# Altium PCB SK-V101-010301-Left.PcbDoc (continued)
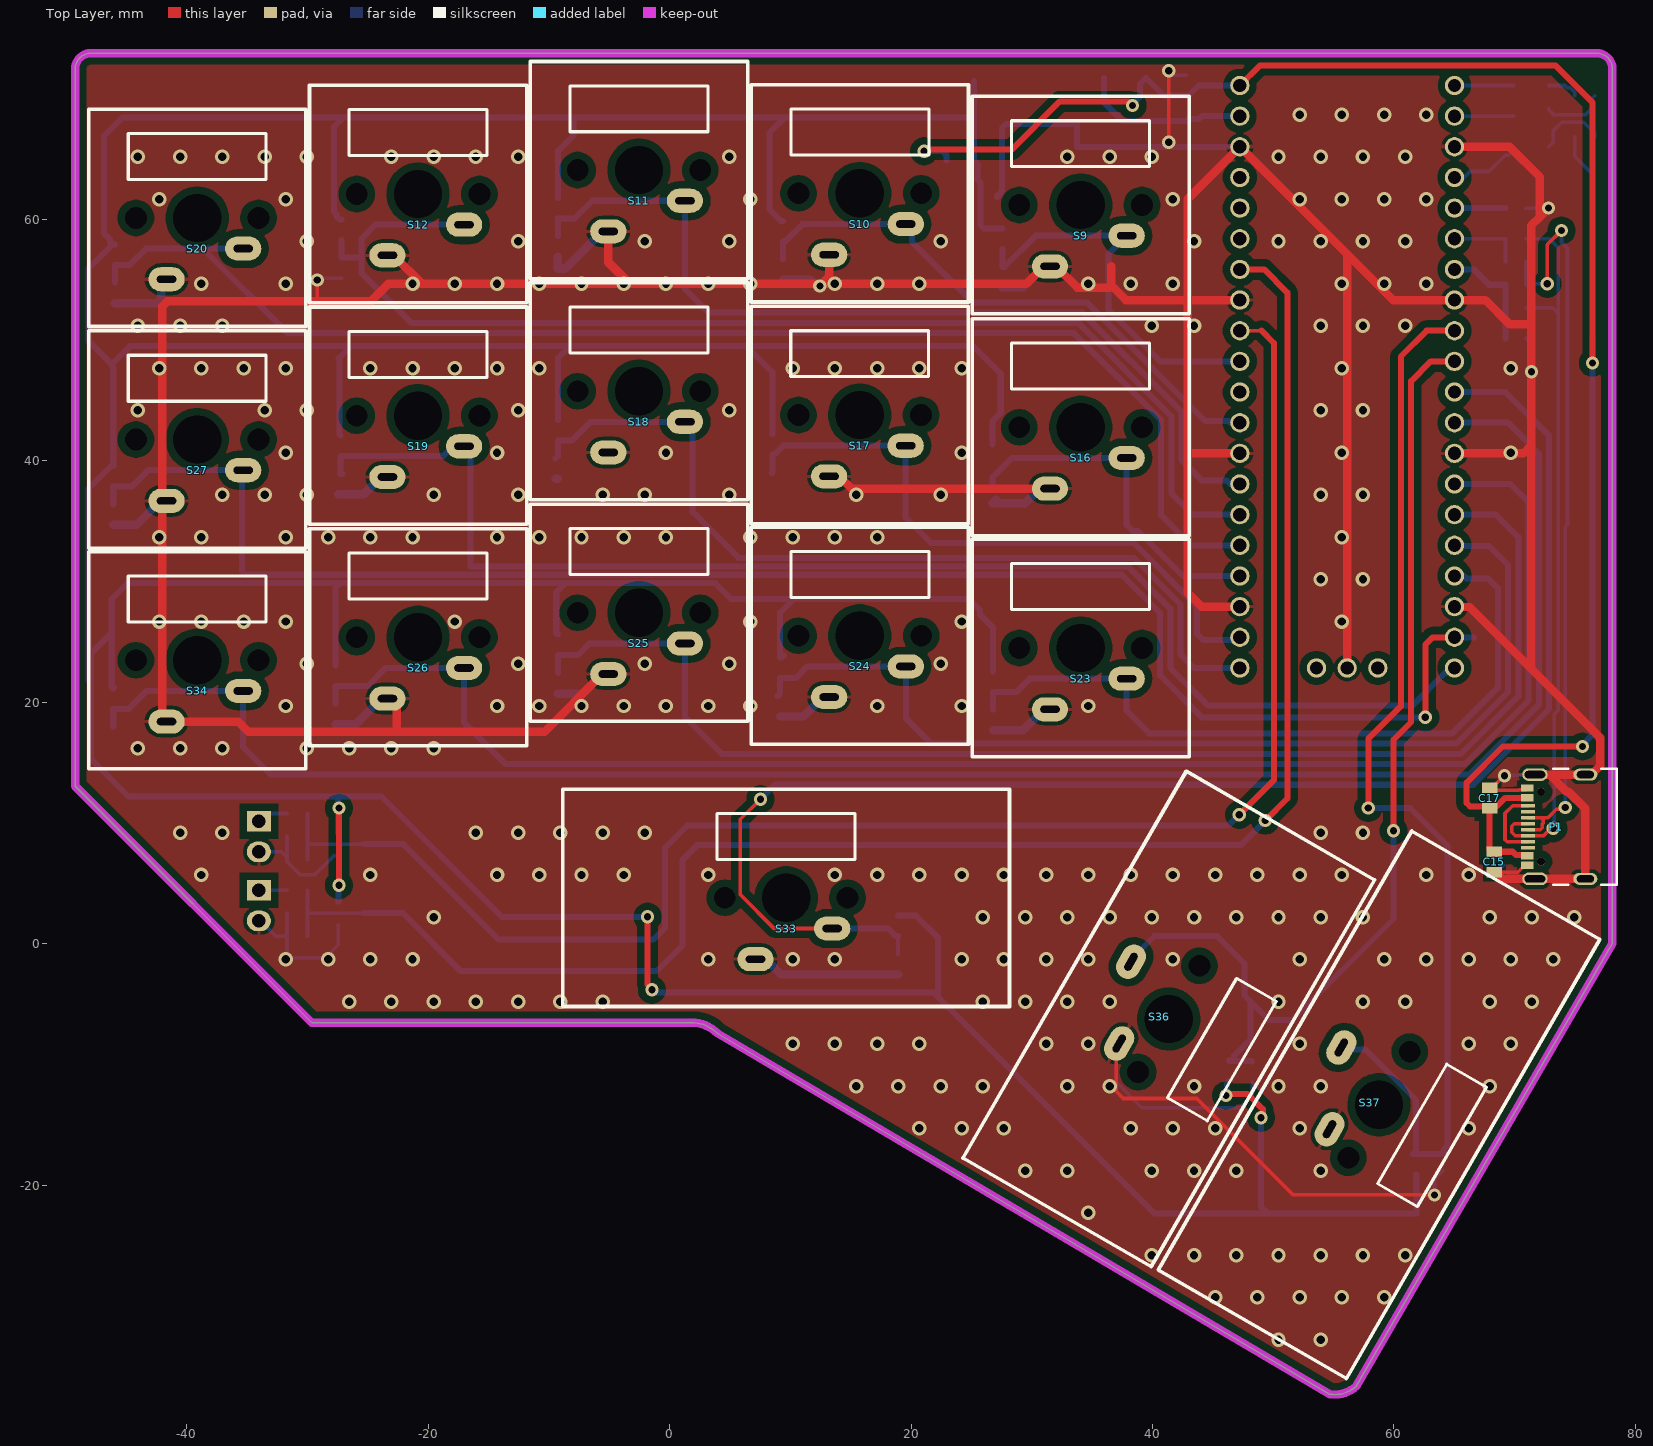
[diagram p0: Top Layer view]
## Footprints (in the part's own frame and the unit in brackets; to place one, negate y for a bottom-side part, rotate by r counter-clockwise, add the part's x,y. Pads: shape width x height; smd on the part's side, far side on the other; paste and mask are expansions set on the pad)
SMH_1206STD [mm]
  rect 1.1x1.7 smd: 1(-1.45,0) 2(1.45,0)
  silkscreen extent -0.25,-0.75 0.25,0.75, body extent -1.6,-0.8 1.6,0.8, height 0.6
SMH_1608[0603]_STD [mm]
  rect 0.8x0.9 smd: 1(-0.7,0) 2(0.7,0)
  body extent -0.8,-0.4 0.8,0.4, height 0.45
SMH_HDR1X2 [mm] "Connector; Header; 2 Position"
  rect 1.7x2 hole 1.1: 1(-1.27,0)
  oval 1.7x2 hole 1.1: 2(1.27,0)
  silkscreen extent -2.67,-1.4 2.67,1.4, body extent -2.54,-1.27 2.54,1.27, height 8.34
SMH_LED_1210-RGB [mm] "3.2*2.8*1.1"
  rect 1.6x1.05 smd paste+0 mask+0: 1(1.7,-0.825) 2(1.7,0.825) 3(-1.7,0.825) 4(-1.7,-0.825)
  silkscreen extent -2.8,-1.7 2.95,1.7, body extent -1.6,-1.35 1.6,1.35, height 1.1
SMH_MINIMELF [mm] "Metal Electrode Face (MELF) Diode; Body 3.5 x 1.5 mm (LxDia)"
  rect 1.25x1.6 smd: 1(-1.725,0) 2(1.725,0)
  silkscreen extent -0.8,-0.7 0.8,0.7, body extent -1.82,-0.8 1.88,0.8, height 1.6
SMH_MX_SERIES-37MM [mm] "Keyboard mechanical switch"
  oval 3x2 hole 0.6 slot 1.6 at 0 deg: 1(-2.54,-5.08) 2(3.81,-2.54)
  round 1 hole 1.8: 3(5.08,0) 4(-5.08,0)
  round 1 hole 4: 5(0,0)
  silkscreen extent -18.5,-9 18.5,9, body extent -7.82,-7.82 7.78,7.78, height 15.75
SMH_MX_Series-37mm [mm] "Keyboard mechanical switch"
  oval 3x2 hole 0.6 slot 1.6 at 0 deg: 1(-2.54,-5.08) 2(3.81,-2.54)
  round 1 hole 1.8: 3(5.08,0) 4(-5.08,0)
  round 1 hole 4: 5(0,0)
  silkscreen extent -18.5,-9 18.5,9, body extent -7.82,-7.82 7.78,7.78, height 15.75
SMH_MX_Series-42mm [mm] "Keyboard mechanical switch"
  oval 3x2 hole 0.6 slot 1.6 at 0 deg: 1(-2.54,-5.08) 2(3.81,-2.54)
  round 1 hole 1.8: 3(5.08,0) 4(-5.08,0)
  round 1 hole 4: 5(0,0)
  silkscreen extent -21,-9 21,9, body extent -7.82,-7.82 7.78,7.78, height 15.75
SMH_MX_Series_18mm [mm] "Keyboard mechanical switch"
  oval 3x2 hole 0.6 slot 1.6 at 0 deg: 1(-2.54,-5.08) 2(3.81,-2.54)
  round 1 hole 1.8: 3(5.08,0) 4(-5.08,0)
  round 1 hole 4: 5(0,0)
  silkscreen extent -9,-9 9,9, body extent -7.82,-7.82 7.78,7.78, height 15.75
SMH_PICOPI [mm] "Raspberry Pi Pico layout"
  rrect50% 3.2x1.6 smd paste-1 mask+0: 1(-9.69,24.13) 2(-9.69,21.59) 3(-9.69,19.05) 4(-9.69,16.51) 5(-9.69,13.97) 6(-9.69,11.43) 7(-9.69,8.89) 8(-9.69,6.35) 9(-9.69,3.81) 10(-9.69,1.27) 11(-9.69,-1.27) 12(-9.69,-3.81) 13(-9.69,-6.35) 14(-9.69,-8.89) 15(-9.69,-11.43) 16(-9.69,-13.97) 17(-9.69,-16.51) 18(-9.69,-19.05) 19(-9.69,-21.59) 20(-9.69,-24.13) 21(9.69,-24.13) 22(9.69,-21.59) 23(9.69,-19.05) 24(9.69,-16.51) 25(9.69,-13.97) 26(9.69,-11.43) 27(9.69,-8.89) 28(9.69,-6.35) 29(9.69,-3.81) 30(9.69,-1.27) 31(9.69,1.27) 32(9.69,3.81) 33(9.69,6.35) 34(9.69,8.89) 35(9.69,11.43) 36(9.69,13.97) 37(9.69,16.51) 38(9.69,19.05) 39(9.69,21.59) 40(9.69,24.13)
  round 1.6 hole 1.1: 1(-8.89,24.13) 2(-8.89,21.59) 3(-8.89,19.05) 4(-8.89,16.51) 5(-8.89,13.97) 6(-8.89,11.43) 7(-8.89,8.89) 8(-8.89,6.35) 9(-8.89,3.81) 10(-8.89,1.27) 11(-8.89,-1.27) 12(-8.89,-3.81) 13(-8.89,-6.35) 14(-8.89,-8.89) 15(-8.89,-11.43) 16(-8.89,-13.97) 17(-8.89,-16.51) 18(-8.89,-19.05) 19(-8.89,-21.59) 20(-8.89,-24.13) 21(8.89,-24.13) 22(8.89,-21.59) 23(8.89,-19.05) 24(8.89,-16.51) 25(8.89,-13.97) 26(8.89,-11.43) 27(8.89,-8.89) 28(8.89,-6.35) 29(8.89,-3.81) 30(8.89,-1.27) 31(8.89,1.27) 32(8.89,3.81) 33(8.89,6.35) 34(8.89,8.89) 35(8.89,11.43) 36(8.89,13.97) 37(8.89,16.51) 38(8.89,19.05) 39(8.89,21.59) 40(8.89,24.13) D1(-2.54,-24.13) D2(0,-24.13) D3(2.54,-24.13)
  rrect50% 1.6x3.2 smd paste-1 mask+0: D1(-2.54,-24.7) D2(0,-24.7) D3(2.54,-24.7)
  silkscreen extent -10.5,-25.5 10.5,26.8, body extent -10.5,-25.5 10.5,26.8, height 3.73
SMH_RES0805-STD [mm]
  rect 0.9x1.27 smd: 1(-0.85,0) 2(0.85,0)
  body extent -1,-0.63 1,0.63, height 0.6
SMH_SMA [mm] "Diode SMA Package"
  rect 1.5x1.5 smd: 1(-1.75,0) 2(1.75,0)
  silkscreen extent -2.9,-1.15 3.2,1.15, body extent -2.74,-1.4 2.74,1.4, height 2.41
SMH_SOT223 [mm]
  rect 1.1x2.5 smd: 1(-2.3,-3.3) 2(0,-3.3) 3(2.3,-3.3)
  rect 3.8x2.8 smd: 4(0,3.3)
  silkscreen extent -3.3,-1.9 3.4,1.8, body extent -3.25,-3.48 3.25,3.48, height 1.68
SMH_SOT-23 [mm]
  rect 0.6x1.3 smd: 1(-0.95,-1.05) 2(0.95,-1.05) 3(0,1.05)
  silkscreen extent -1.5,0 1.5,0.7, body extent -1.53,-1.32 1.47,1.22, height 1.1
SMH_USB_C [mm] "Type C USB  Connector USB4105-GF-A"
  rect 0.6x1.016 smd: A1_B12(-3.2,4.819) A4_B9(-2.4,4.819) B1_A12(3.2,4.819) B4_A9(2.4,4.819)
  rect 0.3x1.15 smd: A5(-1.25,4.755) A6(-0.25,4.755) A7(0.25,4.755) A8(1.25,4.755) B5(1.75,4.755) B6(0.75,4.755) B7(-0.75,4.755) B8(-1.75,4.755)
  oval 1.05x2.1 hole 0.6 slot 1.7 at 90 deg: S1(-4.32,4.18) S4(4.32,4.18)
  oval 1x2 hole 0.6 slot 1.4 at 90 deg: S2(-4.32,0) S3(4.32,0)
  round 0.65 hole 0.65 unplated: ""(-2.89,3.68) ""(2.89,3.68)
  silkscreen extent -4.79,-2.6 4.79,2.65, body extent -4.79,-2.51 4.79,5.21, height 3.31

## Part data
C1 C3 C4 C7 C8 C9 C10 C11 C12 C13 C14 C15 C16 C17 C18 C19 C20 C21 C22 C23 C24 C25 C26 C46 C47: library part Cap, "Capacitor", LatestRevisionDate=17-Jul-2002, LatestRevisionNote="Re-released for DXP Platform.", PackageReference=RAD-0.3, Published=8-Jun-2000, Publisher="Altium Limited"
C5: library part "Cap Semi", "Capacitor (Semiconductor SIM Model)", LatestRevisionDate=29-May-2009, LatestRevisionNote="IPC-7351 Footprint Added.", PackageDescription="Chip Capacitor", PackageReference=C1206, Published=8-Jun-2000, Publisher="Altium Limited"
D1: "1 Amp General Purpose Rectifier", Code_JEDEC=DO-204-AL, ComponentLink1Description="Manufacturer Link", ComponentLink1URL=http://www.fairchildsemi.com/, ComponentLink2Description=Datasheet, ComponentLink2URL=http://www.fairchildsemi.com/ds/1N%2F1N4001.pdf, DatasheetVersion=1998, LatestRevisionDate=17-Jul-2002, LatestRevisionNote="Re-released for DXP Platform.", PackageDescription="Diode, Axial; Body 5.2 x 2.7 mm (LxDia. max), Lead Dia. 0.86 mm (max)", PackageReference=DO-41, PackageVersion=Aug-1999, Published=8-Jun-2000, Publisher="Altium Limited"
D2 D3 D4: library part "Diode 1N4004", "1 Amp General Purpose Rectifier", Code_JEDEC=DO-204-AL, ComponentLink1Description="Manufacturer Link", ComponentLink1URL=http://www.fairchildsemi.com/, ComponentLink2Description=Datasheet, ComponentLink2URL=http://www.fairchildsemi.com/ds/1N%2F1N4001.pdf, DatasheetVersion=1998, LatestRevisionDate=17-Jul-2002, LatestRevisionNote="Re-released for DXP Platform.", PackageDescription="Diode, Axial; Body 5.2 x 2.7 mm (LxDia. max), Lead Dia. 0.86 mm (max)", PackageReference=DO-41, PackageVersion=Aug-1999, Published=8-Jun-2000, Publisher="Altium Limited"
LED1: library part "LED RGB"
N4 N5: "Header, 2-Pin", LatestRevisionDate=17-Jul-2002, LatestRevisionNote="Re-released for DXP Platform.", Publisher="Altium Limited"
R1 R7 R9 R11 R12 R13 R14 R15 R16 R17 R18 R19 R20 R21 R22 R23 R24 R25 R26 R53 R54 R60 R61: library part Res2, "Resistor", LatestRevisionDate=17-Jul-2002, LatestRevisionNote="Re-released for DXP Platform.", PackageDescription="Axial Device, Thru-Hole; 2 Leads; 0.4 in Pin Spacing", PackageReference=AXIAL-0.4, Published=8-Jun-2000, Publisher="Altium Limited"
R2 R3 R4 R5 R6 R80 R81: library part Res1, "Resistor", LatestRevisionDate=17-Jul-2002, LatestRevisionNote="Re-released for DXP Platform.", PackageDescription="Axial Device, Thru-Hole; 2 Leads; 0.3 in Pin Spacing", PackageReference=AXIAL-0.3, Published=8-Jun-2000, Publisher="Altium Limited"
S9 S10 S11 S12 S16 S17 S18 S19 S20 S23 S24 S25 S26 S27 S33 S34 S36 S37: "Switch", LatestRevisionDate=17-Jul-2002, LatestRevisionNote="Re-released for DXP Platform.", PackageDescription="Switch; 2 Leads", PackageReference=SPST-2, Published=24-Mar-1999, Publisher="Altium Limited"
U1: "800mA Low-Dropout Linear Regulator, 4-pin SOT-223", Manufacturer="National Semiconductor", PackageTopMarking=XYTT*N05A, PowerWise=N, Supplier Part Number 1=9778195, Code_IPC=SOT223-4, Code_JEDEC=TO-261-AA, ComponentLink1Description="LM1117 Datasheet", ComponentLink1URL=http://www.national.com/ds/LM/LM1117.pdf, ComponentLink2Description="LM1117 Web Page", ComponentLink2URL=http://www.national.com/pf/LM/LM1117.html, ComponentLink3Description="MP04A Package Page", ComponentLink3URL=http://www.national.com/packaging/folders/mp04a.html, CompType="LDO IC", DatasheetVersion=Apr-2006, PackageDescription="Molded SOT-223, 6.50 x 3.56 x 1.6mm Body, 4 Lead, 2.3mm Pitch", PackageReference=MP04A, PackageVersion="revB, Apr-2003", PartNumber=LM1117MP-3.3, PinCount=4, Published=4-Dec-2008, Publisher="Altium Limited", RoHS=N, Supplier 1=Farnell, Supplier 2=Farnell, Supplier Part Number 2=9778195RL
U2: library part "PICO Pi"

## Via types
v1: diameter 1.2, hole 0.7, Top Layer to Bottom Layer, 284 vias
v2: diameter 1.1, hole 0.6, Top Layer to Bottom Layer, tented both sides, 28 vias

## Nets (pads, with @x,y where several pads share a name; then routed paths per layer and width w, separated by ;. In a path a pad name is that pad's centre, name@x,y a point inside that pad or via, vN(x,y) a via of type N, cw(c..) or ccw(c..) an arc to the next point about the centre after c; other vN are vias at no path point)
3V3: C5.2 D80.2 D81.2 R7.1 R9.1 R11.1 R12.1 R13.1 R14.1 R15.1 R16.1 R17.1 R18.1 R19.1 R20.1 R21.1 R22.1 R23.1 R24.1 R25.1 R26.1 U1.2 U1.4 | length 547.9
  Top Layer w0.5: v2(-27.407,4.835) v2(-27.407,11.236) ; v2(-1.829,2.219) -1.829,-3.389 -1.473,-3.745 v2(-1.473,-3.826) ; v2(46.101,-12.573) 46.228,-12.446 47.875,-12.446 49.145,-13.716 49.145,-14.269 v2(48.997,-14.418)
  Bottom Layer w0.5: R22.1@-46.031,21.224 R22.1 -46.228,21.281 -46.228,25.765 ; R16.1 R16.1@-46.159,57.946 ; R9.1 -27.686,29.485 -27.305,29.866 ; D81.2 -27.457,3.474 -27.407,3.524 -27.436,3.524 -27.436,4.806 v2(-27.407,4.835) ; D80.2 v2@-27.466,11.296 ; v2(-27.407,11.236) v2@-27.466,11.296 ; R14.1 -27.375,42.198 -27.375,48.441 -27.432,48.498 -26.416,49.514 ; R12.1 -27.363,60.016 -27.563,60.216 -27.563,60.401 -27.813,60.651 -27.813,67.675 -27.051,68.437 ; R25.1 -9.398,25.726 -9.398,29.104 -8.636,29.866 ; R24.1 -9.271,47.244 -9.271,48.503 -8.26,49.514 ; R26.1 -9.271,65.668 -7.95,66.989 -7.95,68.437 ; v2(-1.829,2.219) -13.903,2.219 -23.876,12.192 -27.466,12.192 ; v2(-1.473,-3.826) -1.245,-4.055 21.869,-4.055 22.242,-4.428 ; R21.1 8.509,47.355 6.35,49.514 ; R19.1 9.213,59.889 8.255,60.847 8.255,67.167 9.525,68.437 ; R23.1@9.468,23.894 9.268,23.694 R23.1 9.144,27.416 10.287,28.559 ; R20.1 20.413,2.32 22.242,0.491 22.242,-4.428 ; U1.4 25.222,68.183 ; R11.1 26.743,43.283 27.432,43.972 27.432,47.228 25.146,49.514 6.35,49.514 ; R13.1 26.797,26.162 25.717,27.242 25.717,27.607 24.765,28.559 10.287,28.559 ; R7.1 26.034,59.254 25.741,59.547 C5.2 25.741,63.084 25.522,63.303 25.522,64.583 U1.2 25.222,68.183 ; v2(46.101,-12.573) 46.158,-12.516 46.158,-11.588 R15.1 ; v2(48.997,-14.418) 48.997,-21.784 49.555,-22.343 ; 61.849,-20.955 61.849,-19.138 61.862,-19.151 61.862,-22.33 61.874,-22.343 49.555,-22.343 ; -47.93,21.59 -47.93,24.063 -46.228,25.765 ; -47.93,21.59 -47.93,15.275 -44.847,12.192 -27.466,12.192 ; -47.93,21.59 -48.133,21.793 -48.133,37.722 -46.286,39.569 R18.1 -46.101,47.782 -46.228,47.909 -46.228,47.99 ; -46.228,25.765 -46.228,28.559 -44.921,29.866 -27.305,29.866 ; -46.228,47.99 -48.133,49.895 -48.133,55.972 R16.1@-46.159,57.946 ; -46.228,47.99 -44.704,49.514 -26.416,49.514 ; R16.1@-46.159,57.946 -46.359,58.146 -46.359,58.331 -46.863,58.835 -46.863,66.929 -45.355,68.437 -27.051,68.437 ; v2@-27.466,11.296 -27.466,12.192 ; -27.305,29.866 -8.636,29.866 ; -27.051,68.437 -7.95,68.437 ; -26.416,49.514 -8.26,49.514 ; -8.636,29.866 3.789,29.866 5.096,28.559 10.287,28.559 ; -8.26,49.514 6.35,49.514 ; -7.95,68.437 9.525,68.437 ; 9.525,68.437 24.968,68.437 25.222,68.183 ; 22.242,-4.428 40.157,-22.343 49.555,-22.343
5V: C15.1 C17.1 C46.1 D1.1 D2.1 P1.A4_B9 P1.B4_A9 U1.3 U2.40 | length 144
  Top Layer w0.5: v2(21.082,65.659) 21.214,65.791 28.34,65.791 32.332,69.783 38.024,69.783 v2(38.354,69.453) ; U2.40@47.244,71.104 48.895,72.755 73.406,72.755 76.454,69.707 v2(76.454,48.117) ; C17.1 67.945,7.816 68.145,7.616 C15.1 69.854,7.616 70.133,7.337 71.001,7.337 P1.A4_B9 ; P1.B4_A9 69.237,12.087 68.565,11.415 67.997,11.415 67.945,11.363 66.333,11.363 66.04,11.656 66.04,13.335 69.037,16.332 v2(75.641,16.332)
  Bottom Layer w0.5: v2(21.082,65.659) 22.622,65.659 22.922,65.359 U1.3 ; v2(38.354,69.453) 38.354,69.534 38.969,70.149 38.969,71.239 D1.1 40.954,70.254 C46.1 42.984,70.254 43.834,71.104 U2.40@46.444,71.104 ; v2(75.641,16.332) 75.641,16.495 76.454,17.307 v2(76.454,48.117) D2.1
AD_2: C3.1 D80.3 R2.2 R80.2 U2.32 | length 136
  Top Layer w0.3: U2.32@47.244,50.784 49.047,50.784
  Top Layer w0.5: v2(47.193,10.677) 50.063,13.548 50.063,49.768 49.047,50.784
  Bottom Layer w0.3: R80.2 -30.011,8.124 ; R2.2 C3.1 -30.011,8.124 ; D80.3 -29.896,8.239 -30.011,8.124
  Bottom Layer w0.5: D80.3 -22.073,8.239 -14.173,0.34 -1.372,0.34 -0.381,1.33 -0.381,7.96 1.438,9.779 46.295,9.779 v2(47.193,10.677)
AD_3: C4.1 D81.3 R3.2 R81.2 U2.34 | length 143.7
  Top Layer w0.5: U2.34@47.244,55.864 49.251,55.864 51.181,53.934 51.181,12.024 v2(49.352,10.195)
  Bottom Layer w0.3: R81.2 C4.1 ; R3.2 C4.1 ; D81.3 C4.1
  Bottom Layer w0.5: D81.3 -22.098,2.524 -17.297,-2.277 -1.092,-2.277 1.067,-0.118 1.067,6.944 2.286,8.163 47.32,8.163 v2(49.352,10.195)
GND: C1.2 C3.2 C4.2 C5.1 C7.2 C8.2 C9.2 C10.2 C11.2 C12.2 C13.2 C14.2 C15.2 C16.2 C17.2 C18.2 C19.2 C20.2 C21.2 C22.2 C23.2 C24.2 C25.2 C26.2 C46.2 C47.2 D80.1 D81.1 N4.2 N5.2 P1.A1_B12 P1.B1_A12 P1.S1 P1.S2 P1.S3 P1.S4 R61.2 R80.1 R81.1 S9.1 S10.1 S11.1 S12.1 S16.1 S17.1 S18.1 S19.1 S20.1 S23.1 S24.1 S25.1 S26.1 S27.1 S33.1 S34.1 S36.2 S37.2 U1.1 U2.3 U2.8 U2.13 U2.18 U2.23 U2.28 U2.33 U2.38 U2.D2 | length 611.9
  Top Layer w0.3: -29.464,53.213 -29.21,53.467 v2(-29.21,54.991) ; S36.2 36.996,-8.519 36.996,-12.231 37.592,-12.827 43.664,-12.827 51.656,-20.819 63.364,-20.819 v2(63.373,-20.828) ; v2(41.351,66.405) v2(41.351,72.323) ; C15.2@68.511,5.916 70.272,5.916 70.843,6.487 P1.A1_B12 ; v2(69.164,13.919) 69.134,13.919 68.13,12.915 C17.2 68.16,12.7 70.361,12.7 70.398,12.737 70.518,12.737 70.901,12.737 P1.B1_A12
  Top Layer w0.7: S20.1 S20.1@-41.504,55.051 ; S26.1 -23.237,20.304 -22.636,19.703 -22.636,19.555 -22.606,19.525 -22.606,17.549 ; S12.1 -22.885,57.032 -20.532,54.679 ; S25.1 -5.585,22.336 -10.372,17.549 -22.606,17.549 ; S11.1 -5.085,56.462 v1@-3.302,54.679 ; S17.1 14.06,38.719 15.076,37.703 S16.1 ; S10.1 13.215,55.252 v2@12.642,54.679 ; 36.595,56.118 36.595,54.535 ; U2.23@47.244,27.924 44.069,27.924 42.926,29.067 42.926,40.624 ; U2.28@47.244,40.624 42.926,40.624 ; U2.33@47.244,53.324 42.926,53.324 ; U2.D2@56.134,22.844 56.134,57.134 ; U2.18@65.024,27.924 65.055,27.893 66.274,27.893 71.374,22.793 ; U2.13@65.024,40.624 70.739,40.624 71.374,41.259 ; U2.3@65.024,66.024 69.596,66.024 72.098,63.522 72.098,60.22 ; C15.2 68.511,5.916 69.06,5.367 P1.S1 P1.S2 ; P1.S4 72.898,14.007 ; v2(72.822,60.944) 72.098,60.22 ; P1.S2@75.87,5.505 75.87,11.173 74.453,12.59 74.315,12.59 72.898,14.007 ; -22.606,17.549 -34.905,17.549 -35.755,18.399 S34.1 -42.037,18.399 -42.037,52.803 -41.627,53.213 -29.464,53.213 -24.765,53.213 -23.299,54.679 -20.532,54.679 ; -20.532,54.679 v1@-3.302,54.679 ; v1@-3.302,54.679 v2@12.642,54.679 ; v2@12.642,54.679 29.555,54.679 30.994,56.118 S9.1 32.023,56.118 33.782,54.359 36.419,54.359 36.595,54.535 ; 36.595,54.535 37.805,53.324 42.926,53.324 ; 42.926,40.624 42.926,53.324 ; 42.926,53.324 42.926,61.706 47.244,66.024 56.134,57.134 ; 56.134,57.134 59.944,53.324 65.024,53.324 67.589,53.324 69.596,51.317 71.374,51.317 ; 71.374,22.793 77.089,17.078 77.089,14.726 76.37,14.007 P1.S3 72.898,14.007 ; 71.374,22.793 71.374,41.259 ; 71.374,41.259 71.374,51.317 ; 71.374,51.317 71.374,59.496 72.098,60.22
  Bottom Layer w0.3: N5.2 -33.886,1.889 -32.616,0.619 R81.1 ; N4.2 -32.161,7.604 R80.1@-31.711,7.154 ; C4.2 R81.1 ; C3.2 R80.1@-31.711,7.154 ; v2(-29.21,54.991) -29.06,55.141 C10.2 ; D81.1 -27.466,-0.101 -28.524,-1.159 -31.344,-1.159 -31.711,-0.792 R81.1 ; D80.1 -27.816,7.289 -29.381,5.724 -30.651,5.724 -31.711,6.784 R80.1 R80.1@-31.711,7.154 ; S36.2 36.996,-8.519 36.996,-11.469 39.116,-13.589 47.244,-13.589 48.256,-12.577 C13.2 ; v2(41.351,72.323) 41.72,71.954 C46.2 ; v2(63.373,-20.828) 63.373,-19.438 63.673,-19.138 C16.2 C16.2@64.054,-18.838 ; 68.626,5.616 68.326,5.916 68.511,5.916 69.082,6.487 ; v2(69.164,13.919) 69.208,13.963 71.646,13.963 P1.S4 ; C47.2 71.254,49.849 v2@71.254,47.661 ; R61.2 v2(72.822,60.944)
  Bottom Layer w0.5: C5.1 27.141,61.934 27.522,62.315 U1.1 27.522,67.553 27.889,67.92 33.757,67.92 33.757,66.024 46.444,66.024 U2.38@47.244,66.024
  Bottom Layer w0.7: C18.2 -44.178,34.694 -42.185,36.687 S27.1 ; C14.2 -42.524,53.071 -42.114,53.481 -42.114,54.622 S20.1 ; C8.2 -26.001,18.184 -23.881,20.304 S26.1 ; C12.2@-27.471,37.234 C12.2 -25.35,37.234 -23.916,38.668 S19.1 ; C24.2@-9.456,38.504 C24.2 ; C25.2 -7.197,20.724 -5.585,22.336 S25.1 ; C26.2 -9.271,55.924 -8.675,55.924 -5.585,59.014 S11.1 ; S33.1 7.964,-1.286 9.233,-2.555 C20.2 ; C23.2 11.103,18.819 12.715,20.431 S24.1 ; C19.2 11.661,55.014 12.192,54.483 v2(12.446,54.483) ; C11.2 29.292,17.692 31.015,19.415 S23.1 ; C9.2@27.043,36.788 C9.2 29.448,36.488 30.663,37.703 S16.1 ; C7.2 29.276,54.379 31.015,56.118 S9.1
  other v1: 50.444,-32.81 53.944,-32.81 45.194,-29.31 48.694,-29.31 52.194,-29.31 55.694,-29.31 59.194,-29.31 39.944,-25.81 43.444,-25.81 46.944,-25.81 50.444,-25.81 53.944,-25.81 57.444,-25.81 60.944,-25.81 34.694,-22.31 29.444,-18.81 32.944,-18.81 39.944,-18.81 43.444,-18.81 46.944,-18.81 53.944,-18.81 20.694,-15.31 24.194,-15.31 27.694,-15.31 38.194,-15.31 41.694,-15.31 45.194,-15.31 52.194,-15.31 66.194,-15.31 15.444,-11.81 18.944,-11.81 22.444,-11.81 25.944,-11.81 32.944,-11.81 36.444,-11.81 43.444,-11.81 50.444,-11.81 53.944,-11.81 67.944,-11.81 10.194,-8.31 13.694,-8.31 17.194,-8.31 20.694,-8.31 31.194,-8.31 34.694,-8.31 52.194,-8.31 66.194,-8.31 69.694,-8.31 -26.556,-4.81 -23.056,-4.81 -19.556,-4.81 -16.056,-4.81 -12.556,-4.81 -9.056,-4.81 -5.556,-4.81 25.944,-4.81 29.444,-4.81 32.944,-4.81 36.444,-4.81 50.444,-4.81 57.444,-4.81 60.944,-4.81 67.944,-4.81 71.444,-4.81 -31.806,-1.31 -28.306,-1.31 -24.806,-1.31 -21.306,-1.31 3.194,-1.31 10.194,-1.31 13.694,-1.31 24.194,-1.31 27.694,-1.31 31.194,-1.31 34.694,-1.31 41.694,-1.31 52.194,-1.31 59.194,-1.31 62.694,-1.31 66.194,-1.31 69.694,-1.31 73.194,-1.31 -19.556,2.19 25.944,2.19 29.444,2.19 32.944,2.19 36.444,2.19 39.944,2.19 43.444,2.19 46.944,2.19 50.444,2.19 53.944,2.19 57.444,2.19 67.944,2.19 71.444,2.19 74.944,2.19 -38.806,5.69 -24.806,5.69 -14.306,5.69 -10.806,5.69 -7.306,5.69 -3.806,5.69 3.194,5.69 13.694,5.69 17.194,5.69 20.694,5.69 24.194,5.69 27.694,5.69 31.194,5.69 34.694,5.69 38.194,5.69 41.694,5.69 45.194,5.69 48.694,5.69 52.194,5.69 55.694,5.69 62.694,5.69 66.194,5.69 -40.556,9.19 -37.056,9.19 -16.056,9.19 -12.556,9.19 -9.056,9.19 -5.556,9.19 -2.056,9.19 53.944,9.19 57.444,9.19 -44.056,16.19 -40.556,16.19 -37.056,16.19 -30.056,16.19 -26.556,16.19 -23.056,16.19 -19.556,16.19 -31.806,19.69 -14.306,19.69 -10.806,19.69 -7.306,19.69 -3.806,19.69 -0.306,19.69 3.194,19.69 6.694,19.69 17.194,19.69 24.194,19.69 34.694,19.69 -30.056,23.19 -12.556,23.19 -2.056,23.19 4.944,23.19 22.444,23.19 -42.306,26.69 -38.806,26.69 -35.306,26.69 -31.806,26.69 -17.806,26.69 6.694,26.69 24.194,26.69 55.694,26.69 53.944,30.19 57.444,30.19 -42.306,33.69 -38.806,33.69 -31.806,33.69 -28.306,33.69 -24.806,33.69 -21.306,33.69 -14.306,33.69 -10.806,33.69 -7.306,33.69 -3.806,33.69 -0.306,33.69 6.694,33.69 10.194,33.69 13.694,33.69 17.194,33.69 55.694,33.69 -37.056,37.19 -33.556,37.19 -30.056,37.19 -19.556,37.19 -12.556,37.19 -5.556,37.19 -2.056,37.19 4.944,37.19 15.444,37.19 22.444,37.19 53.944,37.19 57.444,37.19 -31.806,40.69 -14.306,40.69 -0.306,40.69 24.194,40.69 55.694,40.69 69.694,40.69 -44.056,44.19 -33.556,44.19 -30.056,44.19 -12.556,44.19 4.944,44.19 53.944,44.19 57.444,44.19 -42.306,47.69 -38.806,47.69 -35.306,47.69 -31.806,47.69 -24.806,47.69 -21.306,47.69 -17.806,47.69 -14.306,47.69 -10.806,47.69 10.194,47.69 13.694,47.69 17.194,47.69 20.694,47.69 24.194,47.69 55.694,47.69 69.694,47.69 -44.056,51.19 -40.556,51.19 -37.056,51.19 39.944,51.19 43.444,51.19 53.944,51.19 57.444,51.19 60.944,51.19 -38.806,54.69 -31.806,54.69 -21.306,54.69 -17.806,54.69 -14.306,54.69 -10.806,54.69 -7.306,54.69 -3.806,54.69 -0.306,54.69 3.194,54.69 6.694,54.69 13.694,54.69 17.194,54.69 20.694,54.69 34.694,54.69 38.194,54.69 41.694,54.69 55.694,54.69 59.194,54.69 62.694,54.69 -30.056,58.19 -12.556,58.19 -2.056,58.19 4.944,58.19 22.444,58.19 43.444,58.19 50.444,58.19 53.944,58.19 57.444,58.19 60.944,58.19 -42.306,61.69 -31.806,61.69 6.694,61.69 41.694,61.69 52.194,61.69 55.694,61.69 59.194,61.69 62.694,61.69 -44.056,65.19 -40.556,65.19 -37.056,65.19 -33.556,65.19 -30.056,65.19 -23.056,65.19 -19.556,65.19 -16.056,65.19 -12.556,65.19 4.944,65.19 32.944,65.19 36.444,65.19 39.944,65.19 50.444,65.19 53.944,65.19 57.444,65.19 60.944,65.19 52.194,68.69 55.694,68.69 59.194,68.69 62.694,68.69
  other v2: 71.399,47.38
Key1: C25.1 R25.2 S25.2 U2.15 | length 109.3
  Bottom Layer w0.5: C25.1 R25.2 -7.597,23.899 -6.62,24.876 S25.2 1.265,18.801 4.349,15.717 65.543,15.717 70.323,20.497 70.323,33.674 68.453,35.544 U2.15@65.824,35.544
Key2: C23.1 R23.2 S24.2 U2.16 | length 84.1
  Bottom Layer w0.5: C23.1@8.944,20.519 9.144,20.719 R23.2 10.437,21.994 11.414,22.971 S24.2 19.565,18.662 21.66,16.567 65.19,16.567 69.473,20.849 69.473,31.375 67.881,32.966 65.862,32.966 U2.16@65.824,33.004
Key3: C21.1 R21.2 S17.2 U2.22 | length 52.2
  Bottom Layer w0.5: C21.1@8.465,39.017 C21.1 R21.2 8.694,40.536 9.417,41.259 S17.2 19.558,35.306 21.665,33.199 38.438,33.199 43.688,27.949 43.688,25.669 44.202,25.155 46.401,25.155 46.419,25.174 47.034,25.174 U2.22@47.244,25.384
Key4: C19.1 R19.2 S10.2 U2.29 | length 47.1
  Bottom Layer w0.5: C19.1 R19.2 9.583,58.189 11.017,59.623 S10.2 ; S10.2@18.791,59.441 19.555,59.441 20.066,58.93 20.066,58.166 25.101,53.131 34.551,53.131 44.387,43.295 46.313,43.295 U2.29@46.444,43.164
Key5: C16.1 R17.2 S37.1 U2.9 | length 92.3
  Top Layer w0.5: v2(57.887,11.236) 57.887,16.977 60.579,19.669 60.579,48.65 62.713,50.784 U2.9@65.024,50.784
  Bottom Layer w0.5: S37.1 55.792,-8.752 57.646,-8.752 61.849,-12.954 R17.2@61.849,-17.438 ; v2(57.887,11.236) 61.341,11.236 64.445,8.132 64.445,-16.747 64.139,-17.053 64.139,-17.238 63.939,-17.438 R17.2
Key6: C13.1 R15.2 S36.1 U2.10 | length 87.7
  Top Layer w0.5: v2(59.969,9.357) 59.969,16.903 61.429,18.363 61.429,46.605 63.068,48.244 U2.10@65.024,48.244
  Bottom Layer w0.5: S36.1 38.222,-1.316 40.173,0.635 45.339,0.635 47.625,-1.651 47.625,-4.297 48.143,-4.816 ; C13.1 48.22,-9.727 46.391,-9.727 R15.2 46.54,-9.691 46.74,-9.491 46.74,-9.306 48.143,-7.903 48.143,-4.816 ; v2(59.969,9.357) 59.969,2.041 51.599,-6.329 49.657,-6.329 48.143,-4.816
Key7: C11.1 R13.2 S23.2 U2.17 | length 60.2
  Bottom Layer w0.5: C11.1 R13.2 28.741,20.867 29.829,21.955 S23.2 37.865,19.285 39.733,17.417 64.838,17.417 68.623,21.201 68.623,29.456 67.833,30.246 66.042,30.246 U2.17@65.824,30.464
Key8: C9.1 R11.2 S16.2 U2.24 | length 28.9
  Bottom Layer w0.5: C9.1 26.743,38.608 28.378,40.243 S16.2 37.865,34.687 38.354,34.198 38.786,34.198 42.52,30.464 U2.24@47.244,30.464
Key9: C7.1 R7.2 S9.2 U2.31 | length 31.4
  Bottom Layer w0.5: R7.2 C7.1 27.744,56.079 30.323,58.658 S9.2@37.771,58.658 ; S9.2 S9.2@37.771,58.658 ; U2.31@46.444,48.244 40.64,48.244 36.378,52.507 36.378,57.171 37.078,57.871 37.078,57.965 S9.2@37.771,58.658
Key10: C26.1 R26.2 S11.2 U2.27 | length 74.1
  Bottom Layer w0.5: C26.1 R26.2 -7.851,60.094 -6.391,61.554 S11.2 1.265,54.252 3.236,52.281 34.199,52.281 42.42,44.06 42.42,40.063 44.094,38.389 46.139,38.389 U2.27@46.444,38.084
Key11: C24.1 R24.2 S18.2 U2.21 | length 72.8
  Bottom Layer w0.5: C24.1@-9.471,40.204 -9.271,40.404 R24.2 -8.105,41.679 -6.544,43.24 S18.2 1.905,42.6 1.905,35.776 5.715,31.966 38.469,31.966 42.335,28.1 42.335,23.943 43.434,22.844 U2.21@46.444,22.844
Key12: C22.1 R22.2 S34.2 U2.12 | length 156.3
  Bottom Layer w0.5: C22.1 R22.2 -44.808,19.454 -43.323,20.939 S34.2 -35.335,16.285 -33.067,14.017 66.247,14.017 72.023,19.792 72.023,40.61 69.469,43.164 U2.12@65.824,43.164
Key13: C20.1 R20.2 S33.2 U2.11 | length 124.2
  Top Layer w0.3: v2(7.518,11.973) 5.842,10.296 5.842,4.064 8.652,1.254 S33.2
  Bottom Layer w0.3: C20.1 R20.2
  Bottom Layer w0.5: v2(7.518,11.973) 8.712,13.167 66.599,13.167 72.873,19.44 72.873,42.072 69.24,45.704 U2.11@65.824,45.704 ; S33.2 18.104,1.254 18.738,0.62 R20.2
Key14: C18.1 R18.2 S27.2 U2.19 | length 136.7
  Top Layer w0.5: v2(62.611,18.755) 62.611,24.774 63.221,25.384 U2.19@65.024,25.384
  Bottom Layer w0.5: C18.1 R18.2 -44.554,37.869 -43.196,39.227 S27.2@-35.433,39.227 ; S27.2 S27.2@-35.433,39.227 ; v2(62.611,18.755) 44.094,18.755 40.635,22.214 40.635,27.396 37.465,30.566 -35.14,30.566 -35.433,30.859 S27.2@-35.433,39.227 ; U2.19@65.824,25.384 U2.19@66.624,25.384
Key15: C14.1 R16.2 S20.2 U2.25 | length 112.6
  Bottom Layer w0.5: C14.1 R16.2 -44.719,56.246 -43.374,57.591 -38.668,57.591 ; S20.2 -38.668,57.591 ; U2.25@46.444,33.004 43.205,33.004 40.72,35.49 40.72,43.356 33.495,50.581 -31.658,50.581 -38.668,57.591
Key16: C12.1 R14.2 S19.2 U2.20 | length 112.9
  Bottom Layer w0.5: C12.1@-27.101,38.934 C12.1 R14.2 -18.74,40.409 -17.941,41.208 S19.2 -16.51,40.683 -16.51,31.266 37.967,31.266 41.485,27.748 41.485,22.837 44.607,19.715 61.519,19.715 64.24,22.436 64.319,22.436 64.726,22.844 U2.20@65.024,22.844
Key17: C10.1 R12.2 S12.2 U2.26 | length 99
  Bottom Layer w0.5: R12.2 C10.1 -25.599,56.841 -25.527,56.769 ; S12.2 -24.375,59.572 -25.527,58.42 -25.527,56.769 ; U2.26@46.444,35.544 43.332,35.544 41.57,37.307 41.57,43.708 33.847,51.431 -21.424,51.431 -25.527,55.534 -25.527,56.769
Key18: C8.1 R9.2 S26.2 U2.14 | length 131.5
  Bottom Layer w0.5: C8.1 R9.2 -24.996,21.359 -23.511,22.844 S26.2 -17.035,18.313 -13.589,14.867 65.895,14.867 71.173,20.145 71.173,36.558 69.647,38.084 U2.14@65.824,38.084
LED1_B: R4.2 U2.1 | length 4.9
  Bottom Layer w0.3: U2.1@65.024,71.104 65.824,71.104 R4.2@69.924,71.104
LED1_G: R5.2 U2.2 | length 4.1
  Bottom Layer w0.3: U2.2@65.824,68.564 R5.2@69.924,68.564
LED1_R: R6.2 U2.4 | length 5.3
  Bottom Layer w0.3: U2.4@65.824,63.484 66.314,63.974 67.874,63.974 69.224,65.324 69.524,65.324 69.924,65.724 R6.2
MISO: P1.A6 P1.B6 R1.1 R54.2 | length 62.3
  Top Layer w0.3: P1.A6 72.127,9.437 72.303,9.613 72.303,9.923 72.365,9.986 72.365,10.261 72.189,10.437 ; P1.B6 72.189,10.437 ; v2(72.72,54.67) 72.72,57.921 v2(73.889,59.09) ; v2(74.202,11.286) 74.049,11.133 73.464,11.133 72.768,10.437 72.189,10.437
  Bottom Layer w0.3: R54.2 R1.1 71.03,54.67 v2(72.72,54.67) ; v2(73.889,59.09) 73.889,58.121 74.385,57.625 74.385,34.731 74.202,34.548 v2(74.202,11.286)
MOSI: P1.A7 P1.B7 R53.2 R60.1 | length 59.9
  Top Layer w0.3: P1.A7 69.982,9.937 69.774,9.728 69.774,9.22 70.057,8.937 72.402,8.937 73.016,9.55 v2(73.203,9.55)
  Bottom Layer w0.3: R60.1 73.16,52.689 73.635,52.214 ; R53.2 72.898,58.404 73.635,57.667 73.635,52.214 ; v2(73.203,9.55) 73.302,9.649 73.302,19.021 73.635,19.354 73.635,52.214
NetC1_1: C1.1 D1.2 U2.39 | length 13.3
  Bottom Layer w0.5: D1.2 35.969,69.704 37.529,68.144 C1.1 42.999,68.344 43.874,68.344 44.094,68.564 U2.39@46.444,68.564
NetD2_2: D2.2 D3.1 | length 1.6
  Bottom Layer w0.3: D2.2 D3.1
NetD3_2: D3.2 D4.1 | length 1.6
  Bottom Layer w0.3: D3.2 D4.1
NetD4_2: D4.2 LED1.2 | length 3.6
  Bottom Layer w0.3: LED1.2 74.994,65.224 76.279,63.939 D4.2
NetLED1_1: LED1.1 R6.1 | length 5.9
  Bottom Layer w0.3: R6.1 73.224,66.424 73.224,67.366 73.914,68.056 75.727,68.056 76.644,67.139 LED1.1
NetLED1_3: LED1.3 R4.1 | length 2.7
  Bottom Layer w0.3: R4.1@72.824,71.104 74.154,71.104 74.344,70.914 74.619,70.914 74.994,70.539 LED1.3
NetLED1_4: LED1.4 R5.1 | length 5.2
  Bottom Layer w0.3: R5.1 72.824,69.091 73.224,68.691 75.908,68.691 76.407,69.19 76.407,70.027 LED1.4
NetN4_1: N4.1 R2.1 | length 2.6
  Bottom Layer w0.3: N4.1 -33.401,10.779 R2.1
NetN5_1: N5.1 R3.1 | length 2.3
  Bottom Layer w0.3: N5.1 R3.1
NetP1_A5: P1.A5 P1.B5 | length 6.3
  Top Layer w0.3: P1.A5 69.391,8.437 69.215,8.613 69.215,10.795 69.857,11.437 P1.B5
NetR61_1: R61.1 U2.5 | length 4.2
  Bottom Layer w0.5: U2.5@65.024,60.944 R61.1
RX: C47.1 R1.2 R60.2 U2.7 | length 8.4
  Bottom Layer w0.5: U2.7@65.824,55.864 66.624,55.864 67.894,54.594 R1.2 R60.2 C47.1
TX: R53.1 R54.1 U2.6 | length 5.3
  Bottom Layer w0.3: U2.6@65.824,58.404 R53.1 R54.1
pads on no net: P1. P1.A8 P1.B8 S9.3 S9.4 S9.5 S10.3 S10.4 S10.5 S11.3 S11.4 S11.5 S12.3 S12.4 S12.5 S16.3 S16.4 S16.5 S17.3 S17.4 S17.5 S18.3 S18.4 S18.5 S19.3 S19.4 S19.5 S20.3 S20.4 S20.5 S23.3 S23.4 S23.5 S24.3 S24.4 S24.5 S25.3 S25.4 S25.5 S26.3 S26.4 S26.5 S27.3 S27.4 S27.5 S33.3 S33.4 S33.5 S34.3 S34.4 S34.5 S36.3 S36.4 S36.5 S37.3 S37.4 S37.5 U2.30 U2.35 U2.36 U2.37 U2.D1 U2.D3

## Polygon pours and split planes (outlines as drawn)
GND on Top Layer "GND_L01_P002" (solid, remove dead copper, pour order 2): 78.105,73.771 78.105,-38.354 -49.276,-38.354 -49.276,74.041
GND on Bottom Layer "GND_L02_P003" (solid, remove dead copper, pour order 3): 78.105,73.771 78.105,-38.354 -49.276,-38.354 -49.276,74.041

## Keep-outs
Keep-Out Layer:
  the board outline again, w0.7